# KiCad board LV08.kicad_pcb (continued)
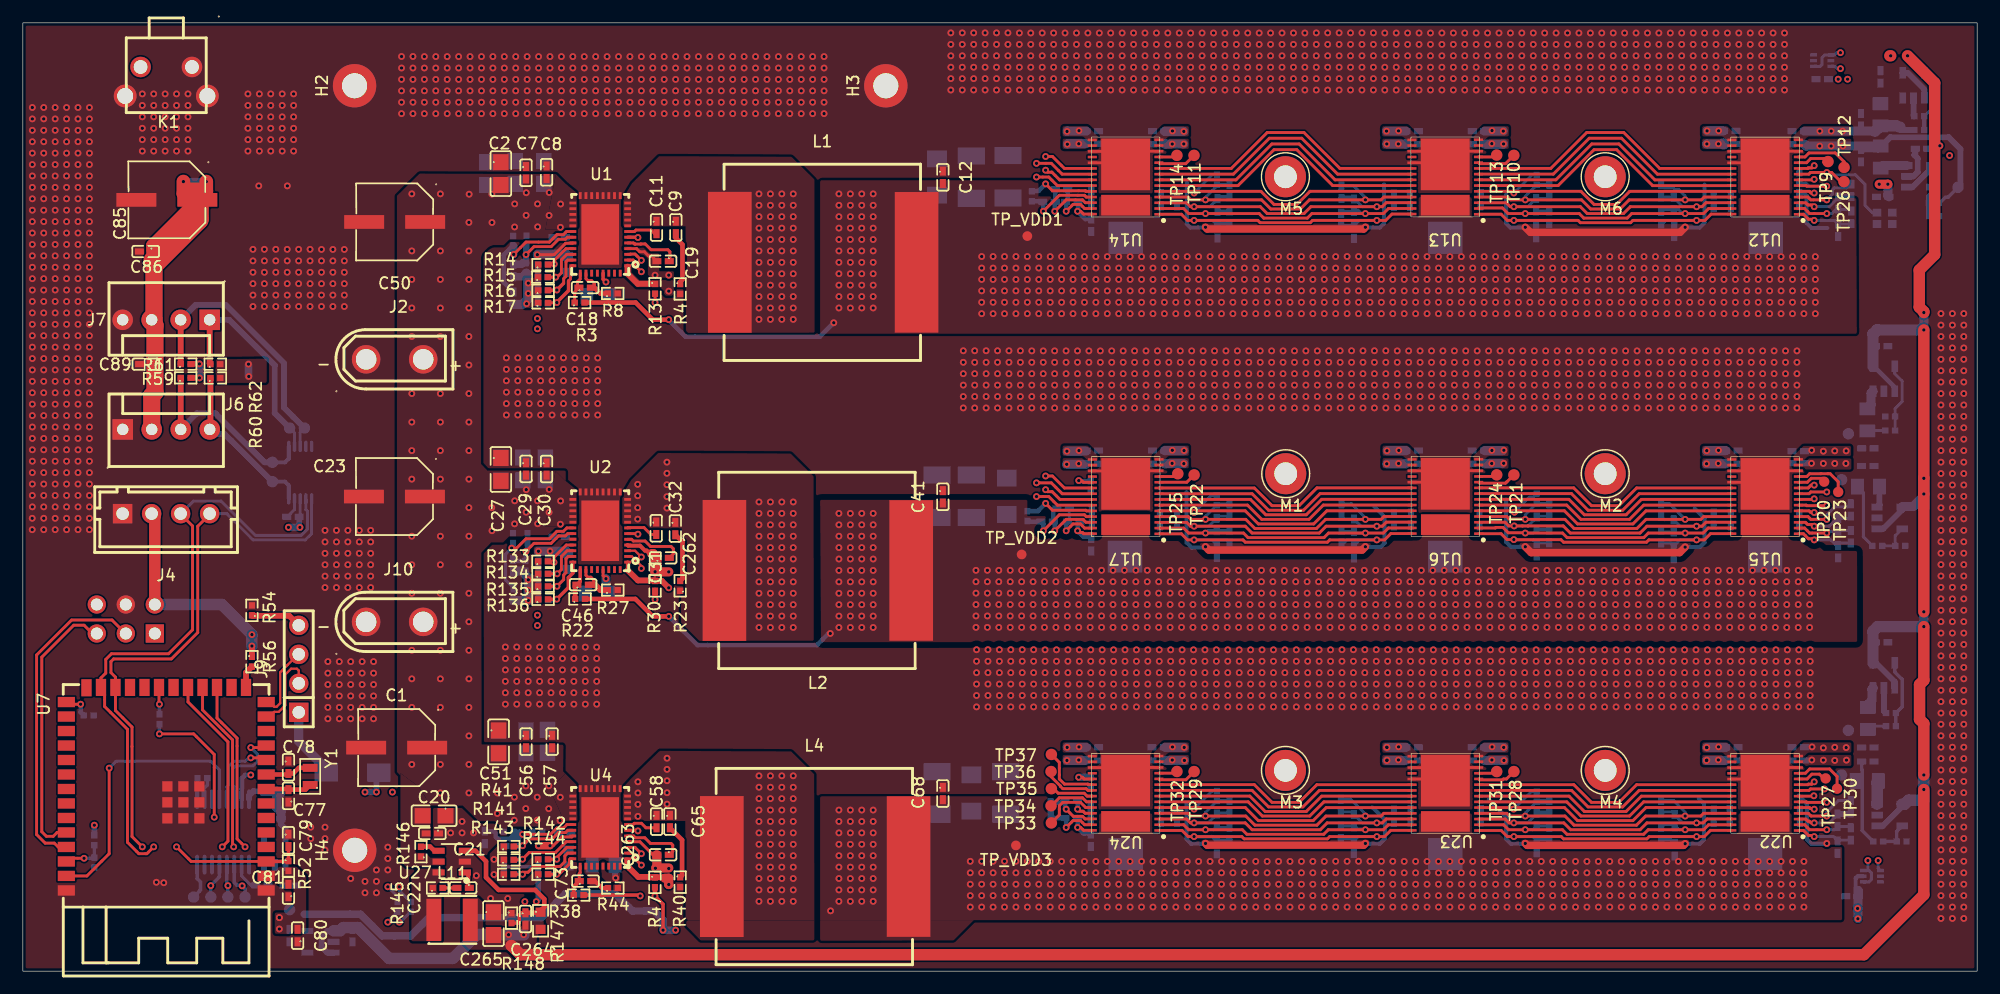
[diagram p0: board, top side]
## Routing (per net, layer and track width the routed paths; a pad name or vN(x,y) marks a point on that pad's centre or on a via; arc(x,y) is an arc through that point) (continued)
  vias: v1(0.83,75.69) v1(0.83,74.69) v1(0.83,73.69) v1(0.83,72.69) v1(0.83,71.69) v1(0.83,70.69) v1(0.83,69.69) v1(0.83,68.69) v1(0.83,67.69) v1(0.83,66.69) v1(0.83,65.69) v1(0.83,64.69) v1(0.83,63.69) v1(0.83,62.69) v1(0.83,61.69) v1(0.83,60.69) v1(0.83,59.69) v1(0.83,58.69) v1(0.83,57.69) v1(0.83,56.69) v1(0.83,55.69) v1(0.83,54.69) v1(0.83,53.69) v1(0.83,52.69) v1(0.83,51.69) v1(0.83,50.69) v1(0.83,49.69) v1(0.83,48.69) v1(0.83,47.69) v1(0.83,46.69) v1(0.83,45.69) v1(0.83,44.69) v1(0.83,43.69) v1(0.83,42.69) v1(0.83,41.69) v1(0.83,40.69) v1(0.82,39.69) v1(0.82,38.69) v1(1.83,75.69) v1(1.83,74.69) v1(1.83,73.69) v1(1.83,72.69) v1(1.83,71.69) v1(1.83,70.69) v1(1.83,69.69) v1(1.83,68.69) v1(1.83,67.69) v1(1.83,66.69) v1(1.83,65.69) v1(1.83,64.69) v1(1.83,63.69) v1(1.83,62.69) v1(1.83,61.69) v1(1.83,60.69) v1(1.83,59.69) v1(1.83,58.69) v1(1.83,57.69) v1(1.83,56.69) v1(1.83,55.69) v1(1.83,54.69) v1(1.83,53.69) v1(1.83,52.69) v1(1.83,51.69) v1(1.83,50.69) v1(1.83,49.69) v1(1.83,48.69) v1(1.83,47.69) v1(1.83,46.69) v1(1.83,45.69) v1(1.83,44.69) v1(1.83,43.69) v1(1.83,42.69) v1(1.83,41.69) v1(1.83,40.69) v1(1.83,39.69) v1(1.83,38.69) v1(2.83,75.69) v1(2.83,74.69) v1(2.83,73.69) v1(2.83,72.69) v1(2.83,71.69) v1(2.83,70.69) v1(2.83,69.69) v1(2.83,68.69) v1(2.83,67.69) v1(2.83,66.69) v1(2.83,65.69) v1(2.83,64.69) v1(2.83,63.69) v1(2.83,62.69) v1(2.83,61.69) v1(2.83,60.69) v1(2.83,59.69) v1(2.83,58.69) v1(2.83,57.69) v1(2.83,56.69) v1(2.83,55.69) v1(2.83,54.69) v1(2.83,53.69) v1(2.83,52.69) v1(2.83,51.69) v1(2.83,50.69) v1(2.83,49.69) v1(2.83,48.69) v1(2.83,47.69) v1(2.83,46.69) v1(2.83,45.69) v1(2.83,44.69) v1(2.83,43.69) v1(2.83,42.69) v1(2.83,41.69) v1(2.83,40.69) v1(2.83,39.69) v1(2.83,38.69) v1(3.83,75.69) v1(3.83,74.69) v1(3.83,73.69) v1(3.83,72.69) v1(3.83,71.69) v1(3.83,70.69) v1(3.83,69.69) v1(3.83,68.69) v1(3.83,67.69) v1(3.83,66.69) v1(3.83,65.69) v1(3.83,64.69) v1(3.83,63.69) v1(3.83,62.69) v1(3.83,61.69) v1(3.83,60.69) v1(3.83,59.69) v1(3.83,58.69) v1(3.83,57.69) v1(3.83,56.69) v1(3.83,55.69) v1(3.83,54.69) v1(3.83,53.69) v1(3.83,52.69) v1(3.83,51.69) v1(3.83,50.69) v1(3.83,49.69) v1(3.83,48.69) v1(3.83,47.69) v1(3.83,46.69) v1(3.83,45.69) v1(3.83,44.69) v1(3.83,43.69) v1(3.83,42.69) v1(3.83,41.69) v1(3.83,40.69) v1(3.83,39.69) v1(3.83,38.69) v1(4.83,75.69) v1(4.83,74.69) v1(4.83,73.69) v1(4.83,72.69) v1(4.83,71.69) v1(4.83,70.69) v1(4.83,69.69) v1(4.83,68.69) v1(4.83,67.69) v1(4.83,66.69) v1(4.83,65.69) v1(4.83,64.69) v1(4.83,63.69) v1(4.83,62.69) v1(4.83,61.69) v1(4.83,60.69) v1(4.83,59.69) v1(4.83,58.69) v1(4.83,57.69) v1(4.83,56.69) v1(4.83,55.69) v1(4.83,54.69) v1(4.83,53.69) v1(4.83,52.69) v1(4.83,51.69) v1(4.83,50.69) v1(4.83,49.69) v1(4.83,48.69) v1(4.83,47.69) v1(4.83,46.69) v1(4.83,45.69) v1(4.83,44.69) v1(4.83,43.69) v1(4.83,42.69) v1(4.83,41.69) v1(4.83,40.69) v1(4.83,39.69) v1(4.83,38.69) v1(5.83,75.69) v1(5.83,74.69) v1(5.83,73.69) v1(5.83,72.69) v1(5.83,71.69) v1(5.83,70.69) v1(5.83,69.69) v1(5.83,68.69) v1(5.83,67.69) v1(5.83,66.69) v1(5.83,65.69) v1(5.83,64.69) v1(5.83,63.69) v1(5.83,62.69) v1(5.83,61.69) v1(5.83,60.69) v1(5.83,59.69) v1(5.83,58.69) v1(5.83,57.69) v1(5.83,56.69) v1(5.83,55.69) v1(5.83,54.69) v1(5.83,53.69) v1(5.83,52.69) v1(5.83,51.69) v1(5.83,50.69) v1(5.83,49.69) v1(5.83,48.69) v1(5.83,47.69) v1(5.83,46.69) v1(5.83,45.69) v1(5.83,44.69) v1(5.83,43.69) v1(5.83,42.69) v1(5.83,41.69) v1(5.83,40.69) v1(5.83,39.69) v1(5.83,38.69) v1(10.46,76.88) v1(10.46,75.87) v1(10.46,74.87) v1(10.46,73.87) v1(10.46,72.87) v1(10.46,71.87) v1(11.46,76.88) v1(11.46,75.87) v1(11.46,74.87) v1(11.46,73.87) v1(11.46,72.87) v1(11.46,71.87) v1(11.69,7.79) v1(12.34,7.75) v1(12.46,76.88) v1(12.46,75.87) v1(12.46,74.87) v1(12.46,73.87) v1(12.46,72.87) v1(12.46,71.87) v1(13.46,76.88) v1(13.46,75.87) v1(13.46,74.87) v1(13.46,73.87) v1(13.46,72.87) v1(13.46,71.87) v1(14.46,76.88) v1(14.46,75.87) v1(14.46,74.87) v1(14.46,73.87) v1(14.46,72.87) v1(14.46,71.87) v1(19.71,76.88) v1(19.71,75.87) v1(19.71,74.87) v1(19.71,73.87) v1(19.71,72.87) v1(19.71,71.87) v1(20.15,63.26) v1(20.15,62.25) v1(20.15,61.25) v1(20.15,60.25) v1(20.15,59.25) v1(20.15,58.25) v1(20.71,76.88) v1(20.71,75.87) v1(20.71,74.87) v1(20.71,73.87) v1(20.71,72.87) v1(20.71,71.87) v1(20.66,68.82) v1(21.15,63.26) v1(21.15,62.25) v1(21.15,61.25) v1(21.15,60.25) v1(21.15,59.25) v1(21.15,58.25) v1(21.71,76.88) v1(21.71,75.87) v1(21.71,74.87) v1(21.71,73.87) v1(21.71,72.87) v1(21.71,71.87) v1(22.15,63.26) v1(22.15,62.25) v1(22.15,61.25) v1(22.15,60.25) v1(22.15,59.25) v1(22.15,58.25) v1(22.71,76.88) v1(22.71,75.87) v1(22.71,74.87) v1(22.71,73.87) v1(22.71,72.87) v1(22.71,71.87) v1(23.16,68.82) v1(23.15,63.26) v1(23.15,62.25) v1(23.15,61.25) v1(23.15,60.25) v1(23.15,59.25) v1(23.15,58.25) v1(23.71,76.88) v1(23.71,75.87) v1(23.71,74.87) v1(23.71,73.87) v1(23.71,72.87) v1(23.71,71.87) v1(24.15,63.26) v1(24.15,62.25) v1(24.15,61.25) v1(24.15,60.25) v1(24.15,59.25) v1(24.15,58.25) v1(25.15,63.26) v1(25.15,62.25) v1(25.15,61.25) v1(25.15,60.25) v1(25.15,59.25) v1(25.15,58.25) v1(25.21,12.62) v1(25.21,11.62) v1(26.15,63.25) v1(26.15,62.25) v1(26.15,61.25) v1(26.15,60.25) v1(26.15,59.25) v1(26.15,58.25) v1(26.46,38.63) v1(26.46,37.62) v1(26.46,36.62) v1(26.46,35.62) v1(26.46,34.62) v1(26.46,33.62) v1(26.46,12.62) v1(26.46,11.62) v1(26.46,10.62) v1(26.71,27.13) v1(26.71,26.12) v1(26.71,25.12) v1(26.71,24.12) v1(26.71,23.12) v1(26.71,22.12) v1(27.15,63.25) v1(27.15,62.25) v1(27.15,61.25) v1(27.15,60.25) v1(27.15,59.25) v1(27.15,58.25) v1(27.46,38.63) v1(27.46,37.62) v1(27.46,36.62) v1(27.46,35.62) v1(27.46,34.62) v1(27.46,33.62) v1(27.71,27.13) v1(27.71,26.12) v1(27.71,25.12) v1(27.71,24.12) v1(27.71,23.12) v1(27.71,22.12) v1(28.15,63.25) v1(28.15,62.25) v1(28.15,61.25) v1(28.15,60.25) v1(28.15,59.25) v1(28.15,58.25) v1(28.46,38.63) v1(28.46,37.62) v1(28.46,36.62) v1(28.46,35.62) v1(28.46,34.62) v1(28.46,33.62) v1(28.71,27.13) v1(28.71,26.12) v1(28.71,25.12) v1(28.71,24.12) v1(28.71,23.12) v1(28.71,22.12) v1(28.71,8.12) v1(29.46,38.63) v1(29.46,37.62) v1(29.46,36.62) v1(29.46,35.62) v1(29.46,34.62) v1(29.46,33.62) v1(29.71,27.13) v1(29.71,26.12) v1(29.71,25.12) v1(29.71,24.12) v1(29.71,23.12) v1(29.71,22.12) v1(29.96,7.87) v1(29.96,6.87) v1(30.46,38.63) v1(30.46,37.62) v1(30.46,36.62) v1(30.46,35.62) v1(30.46,34.62) v1(30.46,33.62) v1(30.71,27.13) v1(30.71,26.12) v1(30.71,25.12) v1(30.71,24.12) v1(30.71,23.12) v1(30.71,22.12) v1(30.96,8.87) v1(30.96,7.87) v1(30.96,6.87) v1(31.96,10.87) v1(31.96,9.87) v1(31.96,8.87) v1(33.16,80.16) v1(33.16,79.15) v1(33.16,78.15) v1(33.16,77.15) v1(33.16,76.15) v1(33.16,75.15) v1(34.16,80.16) v1(34.16,79.15) v1(34.16,78.15) v1(34.16,77.15) v1(34.16,76.15) v1(34.16,75.15) v1(35.16,80.15) v1(35.16,79.15) v1(35.16,78.15) v1(35.16,77.15) v1(35.16,76.15) v1(35.16,75.15) v1(36.16,80.15) v1(36.16,79.15) v1(36.16,78.15) v1(36.16,77.15) v1(36.16,76.15) v1(36.16,75.15) v1(37.16,80.15) v1(37.16,79.15) v1(37.16,78.15) v1(37.16,77.15) v1(37.16,76.15) v1(37.16,75.15) v1(37.46,12.12) v1(38.16,80.15) v1(38.16,79.15) v1(38.16,78.15) v1(38.16,77.15) v1(38.16,76.15) v1(38.16,75.15) v1(38.46,13.12) v1(38.46,12.12) v1(39.16,80.15) v1(39.16,79.15) v1(39.16,78.15) v1(39.16,77.15) v1(39.16,76.15) v1(39.16,75.15) v1(39.46,12.12) v1(39.71,8.37) v1(40.16,80.15) v1(40.16,79.15) v1(40.16,78.15) v1(40.16,77.15) v1(40.16,76.15) v1(40.16,75.15) v1(40.96,6.37) v1(41.16,80.15) v1(41.16,79.15) v1(41.16,78.15) v1(41.16,77.15) v1(41.16,76.15) v1(41.16,75.15) v1(42.16,80.15) v1(42.16,79.15) v1(42.16,78.15) v1(42.16,77.15) v1(42.16,76.15) v1(42.16,75.15) v1(42.25,28.41) v1(42.25,27.4) v1(42.25,26.4) v1(42.25,25.4) v1(42.25,24.4) v1(42.25,23.4) v1(42.34,53.75) v1(42.34,52.74) v1(42.34,51.74) v1(42.34,50.74) v1(42.34,49.74) v1(42.34,48.74) v1(42.46,6.37) v1(43.16,80.15) v1(43.16,79.15) v1(43.16,78.15) v1(43.16,77.15) v1(43.16,76.15) v1(43.16,75.15) v1(43.25,28.41) v1(43.25,27.4) v1(43.25,26.4) v1(43.25,25.4) v1(43.25,24.4) v1(43.25,23.4) v1(43.34,53.75) v1(43.34,52.74) v1(43.34,51.74) v1(43.34,50.74) v1(43.34,49.74) v1(43.34,48.74) v1(44.16,80.15) v1(44.16,79.15) v1(44.16,78.15) v1(44.16,77.15) v1(44.16,76.15) v1(44.16,75.15) v1(44.25,28.41) v1(44.25,27.4) v1(44.25,26.4) v1(44.25,25.4) v1(44.25,24.4) v1(44.25,23.4) v1(44.34,53.75) v1(44.34,52.74) v1(44.34,51.74) v1(44.34,50.74) v1(44.34,49.74) v1(44.34,48.74) v1(45.16,80.15) v1(45.16,79.15) v1(45.16,78.15) v1(45.16,77.15) v1(45.16,76.15) v1(45.16,75.15) v1(45.25,28.41) v1(45.25,27.4) v1(45.25,26.4) v1(45.25,25.4) v1(45.25,24.4) v1(45.25,23.4) v1(45.34,53.75) v1(45.34,52.74) v1(45.34,51.74) v1(45.34,50.74) v1(45.34,49.74) v1(45.34,48.74) v1(46.16,80.15) v1(46.16,79.15) v1(46.16,78.15) v1(46.16,77.15) v1(46.16,76.15) v1(46.16,75.15) v1(46.25,28.41) v1(46.25,27.4) v1(46.25,26.4) v1(46.25,25.4) v1(46.25,24.4) v1(46.25,23.4) v1(46.34,53.75) v1(46.34,52.74) v1(46.34,51.74) v1(46.34,50.74) v1(46.34,49.74) v1(46.34,48.74) v1(47.16,80.15) v1(47.16,79.15) v1(47.16,78.15) v1(47.16,77.15) v1(47.16,76.15) v1(47.16,75.15) v1(47.25,28.41) v1(47.25,27.4) v1(47.25,26.4) v1(47.25,25.4) v1(47.25,24.4) v1(47.25,23.4) v1(47.34,53.75) v1(47.34,52.74) v1(47.34,51.74) v1(47.34,50.74) v1(47.34,49.74) v1(47.34,48.74) v1(48.16,80.15) v1(48.16,79.15) v1(48.16,78.15) v1(48.16,77.15) v1(48.16,76.15) v1(48.16,75.15) v1(48.25,28.4) v1(48.25,27.4) v1(48.25,26.4) v1(48.25,25.4) v1(48.25,24.4) v1(48.25,23.4) v1(48.34,53.74) v1(48.34,52.74) v1(48.34,51.74) v1(48.34,50.74) v1(48.34,49.74) v1(48.34,48.74) v1(49.16,80.15) v1(49.16,79.15) v1(49.16,78.15) v1(49.16,77.15) v1(49.16,76.15) v1(49.16,75.15) v1(49.25,28.4) v1(49.25,27.4) v1(49.25,26.4) v1(49.25,25.4) v1(49.25,24.4) v1(49.25,23.4) v1(49.34,53.74) v1(49.34,52.74) v1(49.34,51.74) v1(49.34,50.74) v1(49.34,49.74) v1(49.34,48.74) v1(50.16,80.15) v1(50.16,79.15) v1(50.16,78.15) v1(50.16,77.15) v1(50.16,76.15) v1(50.16,75.15) v1(50.25,28.4) v1(50.25,27.4) v1(50.25,26.4) v1(50.25,25.4) v1(50.25,24.4) v1(50.25,23.4) v1(50.34,53.74) v1(50.34,52.74) v1(50.34,51.74) v1(50.34,50.74) v1(50.34,49.74) v1(50.34,48.74) v1(51.16,80.15) v1(51.16,79.15) v1(51.16,78.15) v1(51.16,77.15) v1(51.16,76.15) v1(51.16,75.15) v1(52.16,80.15) v1(52.16,79.15) v1(52.16,78.15) v1(52.16,77.15) v1(52.16,76.15) v1(52.16,75.15) v1(53.16,80.15) v1(53.16,79.15) v1(53.16,78.15) v1(53.16,77.15) v1(53.16,76.15) v1(53.16,75.15) v1(54.16,80.15) v1(54.16,79.15) v1(54.16,78.15) v1(54.16,77.15) v1(54.16,76.15) v1(54.16,75.15) v1(55.16,80.15) v1(55.16,79.15) v1(55.16,78.15) v1(55.16,77.15) v1(55.16,76.15) v1(55.16,75.15) v1(56.16,80.15) v1(56.16,79.15) v1(56.16,78.15) v1(56.16,77.15) v1(56.16,76.15) v1(56.16,75.15) v1(57.16,80.15) v1(57.16,79.15) v1(57.16,78.15) v1(57.16,77.15) v1(57.16,76.15) v1(57.16,75.15) v1(58.16,80.15) v1(58.16,79.15) v1(58.16,78.15) v1(58.16,77.15) v1(58.16,76.15) v1(58.16,75.15) v1(59.16,80.15) v1(59.16,79.15) v1(59.16,78.15) v1(59.16,77.15) v1(59.16,76.15) v1(59.16,75.15) v1(60.16,80.15) v1(60.16,79.15) v1(60.16,78.15) v1(60.16,77.15) v1(60.16,76.15) v1(60.16,75.15) v1(61.16,80.15) v1(61.16,79.15) v1(61.16,78.15) v1(61.16,77.15) v1(61.16,76.15) v1(61.16,75.15) v1(62.16,80.15) v1(62.16,79.15) v1(62.16,78.15) v1(62.16,77.15) v1(62.16,76.15) v1(62.16,75.15) v1(63.16,80.15) v1(63.16,79.15) v1(63.16,78.15) v1(63.16,77.15) v1(63.16,76.15) v1(63.16,75.15) v1(64.16,80.15) v1(64.16,79.15) v1(64.16,78.15) v1(64.16,77.15) v1(64.16,76.15) v1(64.16,75.15) v1(65.16,80.15) v1(65.16,79.15) v1(65.16,78.15) v1(65.16,77.15) v1(65.16,76.15) v1(65.16,75.15) v1(66.16,80.15) v1(66.16,79.15) v1(66.16,78.15) v1(66.16,77.15) v1(66.16,76.15) v1(66.16,75.15) v1(67.16,80.15) v1(67.16,79.15) v1(67.16,78.15) v1(67.16,77.15) v1(67.16,76.15) v1(67.16,75.15) v1(68.16,80.15) v1(68.16,79.15) v1(68.16,78.15) v1(68.16,77.15) v1(68.16,76.15) v1(68.16,75.15) v1(69.16,80.15) v1(69.16,79.15) v1(69.16,78.15) v1(69.16,77.15) v1(69.16,76.15) v1(69.16,75.15) v1(70.16,80.15) v1(70.16,79.15) v1(70.16,78.15) v1(70.16,77.15) v1(70.16,76.15) v1(70.16,75.15) v1(81.26,82.23) v1(81.26,81.22) v1(81.26,80.22) v1(81.26,79.22) v1(81.26,78.22) v1(81.26,77.22) v1(82.26,82.23) v1(82.26,81.22) v1(82.26,80.22) v1(82.26,79.22) v1(82.26,78.22) v1(82.26,77.22) v1(82.35,54.37) v1(82.35,53.36) v1(82.35,52.36) v1(82.35,51.36) v1(82.35,50.36) v1(82.35,49.36) v1(83.26,82.23) v1(83.26,81.22) v1(83.26,80.22) v1(83.26,79.22) v1(83.26,78.22) v1(83.26,77.22) v1(83.35,54.37) v1(83.35,53.36) v1(83.35,52.36) v1(83.35,51.36) v1(83.35,50.36) v1(83.35,49.36) v1(83.51,28.17) v1(83.51,27.16) v1(83.51,26.16) v1(83.51,25.16) v1(83.51,24.16) v1(83.51,23.16) v1(84.26,82.23) v1(84.26,81.22) v1(84.26,80.22) v1(84.26,79.22) v1(84.26,78.22) v1(84.26,77.22) v1(84.35,54.37) v1(84.35,53.36) v1(84.35,52.36) v1(84.35,51.36) v1(84.35,50.36) v1(84.35,49.36) v1(84.51,28.17) v1(84.51,27.16) v1(84.51,26.16) v1(84.51,25.16) v1(84.51,24.16) v1(84.51,23.16) v1(85.26,82.23) v1(85.26,81.22) v1(85.26,80.22) v1(85.26,79.22) v1(85.26,78.22) v1(85.26,77.22) v1(85.35,54.37) v1(85.35,53.36) v1(85.35,52.36) v1(85.35,51.36) v1(85.35,50.36) v1(85.35,49.36) v1(85.51,28.17) v1(85.51,27.16) v1(85.51,26.16) v1(85.51,25.16) v1(85.51,24.16) v1(85.51,23.16) v1(86.26,82.23) v1(86.26,81.22) v1(86.26,80.22) v1(86.26,79.22) v1(86.26,78.22) v1(86.26,77.22) v1(86.35,54.37) v1(86.35,53.36) v1(86.35,52.36) v1(86.35,51.36) v1(86.35,50.36) v1(86.35,49.36) v1(86.51,28.17) v1(86.51,27.16) v1(86.51,26.16) v1(86.51,25.16) v1(86.51,24.16) v1(86.51,23.16) v1(87.26,82.22) v1(87.26,81.22) v1(87.26,80.22) v1(87.26,79.22) v1(87.26,78.22) v1(87.26,77.22) v1(87.35,54.37) v1(87.35,53.36) v1(87.35,52.36) v1(87.35,51.36) v1(87.35,50.36) v1(87.35,49.36) v1(87.51,28.17) v1(87.51,27.16) v1(87.51,26.16) v1(87.51,25.16) v1(87.51,24.16) v1(87.51,23.16) v1(88.26,82.22) v1(88.26,81.22) v1(88.26,80.22) v1(88.26,79.22) v1(88.26,78.22) v1(88.26,77.22) v1(88.35,54.36) v1(88.35,53.36) v1(88.35,52.36) v1(88.35,51.36) v1(88.35,50.36) v1(88.35,49.36) v1(88.51,28.17) v1(88.51,27.16) v1(88.51,26.16) v1(88.51,25.16) v1(88.51,24.16) v1(88.51,23.16) v1(89.26,82.22) v1(89.26,81.22) v1(89.26,80.22) v1(89.26,79.22) v1(89.26,78.22) v1(89.26,77.22) v1(89.35,54.36) v1(89.35,53.36) v1(89.35,52.36) v1(89.35,51.36) v1(89.35,50.36) v1(89.35,49.36) v1(89.51,28.16) v1(89.51,27.16) v1(89.51,26.16) v1(89.51,25.16) v1(89.51,24.16) v1(89.51,23.16) v1(90.26,82.22) v1(90.26,81.22) v1(90.26,80.22) v1(90.26,79.22) v1(90.26,78.22) v1(90.26,77.22) v1(90.35,54.36) v1(90.35,53.36) v1(90.35,52.36) v1(90.35,51.36) v1(90.35,50.36) v1(90.35,49.36) v1(90.51,28.16) v1(90.51,27.16) v1(90.51,26.16) v1(90.51,25.16) v1(90.51,24.16) v1(90.51,23.16) v1(91.26,82.22) v1(91.26,81.22) v1(91.26,80.22) v1(91.26,79.22) v1(91.26,78.22) v1(91.26,77.22) v1(91.35,54.36) v1(91.35,53.36) v1(91.35,52.36) v1(91.35,51.36) v1(91.35,50.36) v1(91.35,49.36) v1(91.51,28.16) v1(91.51,27.16) v1(91.51,26.16) v1(91.51,25.16) v1(91.51,24.16) v1(91.51,23.16) v1(92.26,82.22) v1(92.26,81.22) v1(92.26,80.22) v1(92.26,79.22) v1(92.26,78.22) v1(92.26,77.22) v1(92.35,54.36) v1(92.35,53.36) v1(92.35,52.36) v1(92.35,51.36) v1(92.35,50.36) v1(92.35,49.36) v1(92.51,28.16) v1(92.51,27.16) v1(92.51,26.16) v1(92.51,25.16) v1(92.51,24.16) v1(92.51,23.16) v1(93.26,82.22) v1(93.26,81.22) v1(93.26,80.22) v1(93.26,79.22) v1(93.26,78.22) v1(93.26,77.22) v1(93.35,54.36) v1(93.35,53.36) v1(93.35,52.36) v1(93.35,51.36) v1(93.35,50.36) v1(93.35,49.36) v1(93.51,28.16) v1(93.51,27.16) v1(93.51,26.16) v1(93.51,25.16) v1(93.51,24.16) v1(93.51,23.16) v1(94.26,82.22) v1(94.26,81.22) v1(94.26,80.22) v1(94.26,79.22) v1(94.26,78.22) v1(94.26,77.22) v1(94.35,54.36) v1(94.35,53.36) v1(94.35,52.36) v1(94.35,51.36) v1(94.35,50.36) v1(94.35,49.36) v1(94.51,28.16) v1(94.51,27.16) v1(94.51,26.16) v1(94.51,25.16) v1(94.51,24.16) v1(94.51,23.16) v1(95.26,82.22) v1(95.26,81.22) v1(95.26,80.22) v1(95.26,79.22) v1(95.26,78.22) v1(95.26,77.22) v1(95.35,54.36) v1(95.35,53.36) v1(95.35,52.36) v1(95.35,51.36) v1(95.35,50.36) v1(95.35,49.36) v1(95.51,28.16) v1(95.51,27.16) v1(95.51,26.16) v1(95.51,25.16) v1(95.51,24.16) v1(95.51,23.16) v1(96.26,82.22) v1(96.26,81.22) v1(96.26,80.22) v1(96.26,79.22) v1(96.26,78.22) v1(96.26,77.22) v1(96.35,54.36) v1(96.35,53.36) v1(96.35,52.36) v1(96.35,51.36) v1(96.35,50.36) v1(96.35,49.36) v1(96.51,28.16) v1(96.51,27.16) v1(96.51,26.16) v1(96.51,25.16) v1(96.51,24.16) v1(96.51,23.16) v1(97.26,82.22) v1(97.26,81.22) v1(97.26,80.22) v1(97.26,79.22) v1(97.26,78.22) v1(97.26,77.22) v1(97.35,54.36) v1(97.35,53.36) v1(97.35,52.36) v1(97.35,51.36) v1(97.35,50.36) v1(97.35,49.36) v1(97.51,28.16) v1(97.51,27.16) v1(97.51,26.16) v1(97.51,25.16) v1(97.51,24.16) v1(97.51,23.16) v1(98.26,82.22) v1(98.26,81.22) v1(98.26,80.22) v1(98.26,79.22) v1(98.26,78.22) v1(98.26,77.22) v1(98.35,54.36) v1(98.35,53.36) v1(98.35,52.36) v1(98.35,51.36) v1(98.35,50.36) v1(98.35,49.36) v1(98.51,28.16) v1(98.51,27.16) v1(98.51,26.16) v1(98.51,25.16) v1(98.51,24.16) v1(98.51,23.16) v1(99.26,82.22) v1(99.26,81.22) v1(99.26,80.22) v1(99.26,79.22) v1(99.26,78.22) v1(99.26,77.22) v1(99.35,54.36) v1(99.35,53.36) v1(99.35,52.36) v1(99.35,51.36) v1(99.35,50.36) v1(99.35,49.36) v1(99.51,28.16) v1(99.51,27.16) v1(99.51,26.16) v1(99.51,25.16) v1(99.51,24.16) v1(99.51,23.16) v1(100.26,82.22) v1(100.26,81.22) v1(100.26,80.22) v1(100.26,79.22) v1(100.26,78.22) v1(100.26,77.22) v1(100.35,54.36) v1(100.35,53.36) v1(100.35,52.36) v1(100.35,51.36) v1(100.35,50.36) v1(100.35,49.36) v1(100.51,28.16) v1(100.51,27.16) v1(100.51,26.16) v1(100.51,25.16) v1(100.51,24.16) v1(100.51,23.16) v1(101.26,82.22) v1(101.26,81.22) v1(101.26,80.22) v1(101.26,79.22) v1(101.26,78.22) v1(101.26,77.22) v1(101.35,54.36) v1(101.35,53.36) v1(101.35,52.36) v1(101.35,51.36) v1(101.35,50.36) v1(101.35,49.36) v1(101.51,28.16) v1(101.51,27.16) v1(101.51,26.16) v1(101.51,25.16) v1(101.51,24.16) v1(101.51,23.16) v1(102.26,82.22) v1(102.26,81.22) v1(102.26,80.22) v1(102.26,79.22) v1(102.26,78.22) v1(102.26,77.22) v1(102.35,54.36) v1(102.35,53.36) v1(102.35,52.36) v1(102.35,51.36) v1(102.35,50.36) v1(102.35,49.36) v1(102.51,28.16) v1(102.51,27.16) v1(102.51,26.16) v1(102.51,25.16) v1(102.51,24.16) v1(102.51,23.16) v1(103.26,82.22) v1(103.26,81.22) v1(103.26,80.22) v1(103.26,79.22) v1(103.26,78.22) v1(103.26,77.22) v1(103.35,54.36) v1(103.35,53.36) v1(103.35,52.36) v1(103.35,51.36) v1(103.35,50.36) v1(103.35,49.36) v1(103.51,28.16) v1(103.51,27.16) v1(103.51,26.16) v1(103.51,25.16) v1(103.51,24.16) v1(103.51,23.16) v1(104.26,82.22) v1(104.26,81.22) v1(104.26,80.22) v1(104.26,79.22) v1(104.26,78.22) v1(104.26,77.22) v1(104.35,54.36) v1(104.35,53.36) v1(104.35,52.36) v1(104.35,51.36) v1(104.35,50.36) v1(104.35,49.36) v1(104.51,28.16) v1(104.51,27.16) v1(104.51,26.16) v1(104.51,25.16) v1(104.51,24.16) v1(104.51,23.16) v1(105.26,82.22) v1(105.26,81.22) v1(105.26,80.22) v1(105.26,79.22) v1(105.26,78.22) v1(105.26,77.22) v1(105.35,54.36) v1(105.35,53.36) v1(105.35,52.36) v1(105.35,51.36) v1(105.35,50.36) v1(105.35,49.36) v1(105.51,28.16) v1(105.51,27.16) v1(105.51,26.16) v1(105.51,25.16) v1(105.51,24.16) v1(105.51,23.16) v1(106.26,82.22) v1(106.26,81.22) v1(106.26,80.22) v1(106.26,79.22) v1(106.26,78.22) v1(106.26,77.22) v1(106.35,54.36) v1(106.35,53.36) v1(106.35,52.36) v1(106.35,51.36) v1(106.35,50.36) v1(106.35,49.36) v1(106.51,28.16) v1(106.51,27.16) v1(106.51,26.16) v1(106.51,25.16) v1(106.51,24.16) v1(106.51,23.16) v1(107.26,82.22) v1(107.26,81.22) v1(107.26,80.22) v1(107.26,79.22) v1(107.26,78.22) v1(107.26,77.22) v1(107.35,54.36) v1(107.35,53.36) v1(107.35,52.36) v1(107.35,51.36) v1(107.35,50.36) v1(107.35,49.36) v1(107.51,28.16) v1(107.51,27.16) v1(107.51,26.16) v1(107.51,25.16) v1(107.51,24.16) v1(107.51,23.16) v1(108.26,82.22) v1(108.26,81.22) v1(108.26,80.22) v1(108.26,79.22) v1(108.26,78.22) v1(108.26,77.22) v1(108.35,54.36) v1(108.35,53.36) v1(108.35,52.36) v1(108.35,51.36) v1(108.35,50.36) v1(108.35,49.36) v1(108.51,28.16) v1(108.51,27.16) v1(108.51,26.16) v1(108.51,25.16) v1(108.51,24.16) v1(108.51,23.16) v1(109.26,82.22) v1(109.26,81.22) v1(109.26,80.22) v1(109.26,79.22) v1(109.26,78.22) v1(109.26,77.22) v1(109.35,54.36) v1(109.35,53.36) v1(109.35,52.36) v1(109.35,51.36) v1(109.35,50.36) v1(109.35,49.36) v1(109.51,28.16) v1(109.51,27.16) v1(109.51,26.16) v1(109.51,25.16) v1(109.51,24.16) v1(109.51,23.16) v1(110.26,82.22) v1(110.26,81.22) v1(110.26,80.22) v1(110.26,79.22) v1(110.26,78.22) v1(110.26,77.22) v1(110.35,54.36) v1(110.35,53.36) v1(110.35,52.36) v1(110.35,51.36) v1(110.35,50.36) v1(110.35,49.36) v1(110.51,28.16) v1(110.51,27.16) v1(110.51,26.16) v1(110.51,25.16) v1(110.51,24.16) v1(110.51,23.16) v1(111.26,82.22) v1(111.26,81.22) v1(111.26,80.22) v1(111.26,79.22) v1(111.26,78.22) v1(111.26,77.22) v1(111.35,54.36) v1(111.35,53.36) v1(111.35,52.36) v1(111.35,51.36) v1(111.35,50.36) v1(111.35,49.36) v1(111.51,28.16) v1(111.51,27.16) v1(111.51,26.16) v1(111.51,25.16) v1(111.51,24.16) v1(111.51,23.16) v1(112.26,82.22) v1(112.26,81.22) v1(112.26,80.22) v1(112.26,79.22) v1(112.26,78.22) v1(112.26,77.22) v1(112.35,54.36) v1(112.35,53.36) v1(112.35,52.36) v1(112.35,51.36) v1(112.35,50.36) v1(112.35,49.36) v1(112.51,28.16) v1(112.51,27.16) v1(112.51,26.16) v1(112.51,25.16) v1(112.51,24.16) v1(112.51,23.16) v1(113.26,82.23) v1(113.26,81.22) v1(113.26,80.22) v1(113.26,79.22) v1(113.26,78.22) v1(113.26,77.22) v1(113.35,54.36) v1(113.35,53.36) v1(113.35,52.36) v1(113.35,51.36) v1(113.35,50.36) v1(113.35,49.36) v1(113.51,28.16) v1(113.51,27.16) v1(113.51,26.16) v1(113.51,25.16) v1(113.51,24.16) v1(113.51,23.16) v1(114.26,82.23) v1(114.26,81.22) v1(114.26,80.22) v1(114.26,79.22) v1(114.26,78.22) v1(114.26,77.22) v1(114.35,54.37) v1(114.35,53.36) v1(114.35,52.36) v1(114.35,51.36) v1(114.35,50.36) v1(114.35,49.36) v1(114.51,28.16) v1(114.51,27.16) v1(114.51,26.16) v1(114.51,25.16) v1(114.51,24.16) v1(114.51,23.16) v1(115.26,82.23) v1(115.26,81.22) v1(115.26,80.22) v1(115.26,79.22) v1(115.26,78.22) v1(115.26,77.22) v1(115.35,54.37) v1(115.35,53.36) v1(115.35,52.36) v1(115.35,51.36) v1(115.35,50.36) v1(115.35,49.36) v1(115.51,28.17) v1(115.51,27.16) v1(115.51,26.16) v1(115.51,25.16) v1(115.51,24.16) v1(115.51,23.16) v1(116.26,82.23) v1(116.26,81.22) v1(116.26,80.22) v1(116.26,79.22) v1(116.26,78.22) v1(116.26,77.22) v1(116.35,54.37) v1(116.35,53.36) v1(116.35,52.36) v1(116.35,51.36) v1(116.35,50.36) v1(116.35,49.36) v1(116.51,28.17) v1(116.51,27.16) v1(116.51,26.16) v1(116.51,25.16) v1(116.51,24.16) v1(116.51,23.16) v1(117.26,82.23) v1(117.26,81.22) v1(117.26,80.22) v1(117.26,79.22) v1(117.26,78.22) v1(117.26,77.22) v1(117.35,54.37) v1(117.35,53.36) v1(117.35,52.36) v1(117.35,51.36) v1(117.35,50.36) v1(117.35,49.36) v1(117.51,28.17) v1(117.51,27.16) v1(117.51,26.16) v1(117.51,25.16) v1(117.51,24.16) v1(117.51,23.16) v1(118.26,82.23) v1(118.26,81.22) v1(118.26,80.22) v1(118.26,79.22) v1(118.26,78.22) v1(118.26,77.22) v1(118.35,54.37) v1(118.35,53.36) v1(118.35,52.36) v1(118.35,51.36) v1(118.35,50.36) v1(118.35,49.36) v1(118.51,28.17) v1(118.51,27.16) v1(118.51,26.16) v1(118.51,25.16) v1(118.51,24.16) v1(118.51,23.16) v1(119.26,82.22) v1(119.26,81.22) v1(119.26,80.22) v1(119.26,79.22) v1(119.26,78.22) v1(119.26,77.22) v1(119.35,54.37) v1(119.35,53.36) v1(119.35,52.36) v1(119.35,51.36) v1(119.35,50.36) v1(119.35,49.36) v1(119.51,28.17) v1(119.51,27.16) v1(119.51,26.16) v1(119.51,25.16) v1(119.51,24.16) v1(119.51,23.16) v1(120.26,82.22) v1(120.26,81.22) v1(120.26,80.22) v1(120.26,79.22) v1(120.26,78.22) v1(120.26,77.22) v1(120.35,54.36) v1(120.35,53.36) v1(120.35,52.36) v1(120.35,51.36) v1(120.35,50.36) v1(120.35,49.36) v1(120.51,28.17) v1(120.51,27.16) v1(120.51,26.16) v1(120.51,25.16) v1(120.51,24.16) v1(120.51,23.16) v1(121.26,82.22) v1(121.26,81.22) v1(121.26,80.22) v1(121.26,79.22) v1(121.26,78.22) v1(121.26,77.22) v1(121.35,54.36) v1(121.35,53.36) v1(121.35,52.36) v1(121.35,51.36) v1(121.35,50.36) v1(121.35,49.36) v1(121.51,28.16) v1(121.51,27.16) v1(121.51,26.16) v1(121.51,25.16) v1(121.51,24.16) v1(121.51,23.16) v1(122.26,82.22) v1(122.26,81.22) v1(122.26,80.22) v1(122.26,79.22) v1(122.26,78.22) v1(122.26,77.22) v1(122.35,54.36) v1(122.35,53.36) v1(122.35,52.36) v1(122.35,51.36) v1(122.35,50.36) v1(122.35,49.36) v1(122.51,28.16) v1(122.51,27.16) v1(122.51,26.16) v1(122.51,25.16) v1(122.51,24.16) v1(122.51,23.16) v1(123.26,82.22) v1(123.26,81.22) v1(123.26,80.22) v1(123.26,79.22) v1(123.26,78.22) v1(123.26,77.22) v1(123.35,54.36) v1(123.35,53.36) v1(123.35,52.36) v1(123.35,51.36) v1(123.35,50.36) v1(123.35,49.36) v1(123.51,28.16) v1(123.51,27.16) v1(123.51,26.16) v1(123.51,25.16) v1(123.51,24.16) v1(123.51,23.16) v1(124.26,82.22) v1(124.26,81.22) v1(124.26,80.22) v1(124.26,79.22) v1(124.26,78.22) v1(124.26,77.22) v1(124.35,54.36) v1(124.35,53.36) v1(124.35,52.36) v1(124.35,51.36) v1(124.35,50.36) v1(124.35,49.36) v1(124.51,28.16) v1(124.51,27.16) v1(124.51,26.16) v1(124.51,25.16) v1(124.51,24.16) v1(124.51,23.16) v1(125.26,82.22) v1(125.26,81.22) v1(125.26,80.22) v1(125.26,79.22) v1(125.26,78.22) v1(125.26,77.22) v1(125.35,54.36) v1(125.35,53.36) v1(125.35,52.36) v1(125.35,51.36) v1(125.35,50.36) v1(125.35,49.36) v1(125.51,28.16) v1(125.51,27.16) v1(125.51,26.16) v1(125.51,25.16) v1(125.51,24.16) v1(125.51,23.16) v1(126.26,82.22) v1(126.26,81.22) v1(126.26,80.22) v1(126.26,79.22) v1(126.26,78.22) v1(126.26,77.22) v1(126.35,54.36) v1(126.35,53.36) v1(126.35,52.36) v1(126.35,51.36) v1(126.35,50.36) v1(126.35,49.36) v1(126.51,28.16) v1(126.51,27.16) v1(126.51,26.16) v1(126.51,25.16) v1(126.51,24.16) v1(126.51,23.16) v1(127.26,82.22) v1(127.26,81.22) v1(127.26,80.22) v1(127.26,79.22) v1(127.26,78.22) v1(127.26,77.22) v1(127.35,54.36) v1(127.35,53.36) v1(127.35,52.36) v1(127.35,51.36) v1(127.35,50.36) v1(127.35,49.36) v1(127.51,28.16) v1(127.51,27.16) v1(127.51,26.16) v1(127.51,25.16) v1(127.51,24.16) v1(127.51,23.16) v1(128.26,82.22) v1(128.26,81.22) v1(128.26,80.22) v1(128.26,79.22) v1(128.26,78.22) v1(128.26,77.22) v1(128.35,54.36) v1(128.35,53.36) v1(128.35,52.36) v1(128.35,51.36) v1(128.35,50.36) v1(128.35,49.36) v1(128.51,28.16) v1(128.51,27.16) v1(128.51,26.16) v1(128.51,25.16) v1(128.51,24.16) v1(128.51,23.16) v1(129.26,82.22) v1(129.26,81.22) v1(129.26,80.22) v1(129.26,79.22) v1(129.26,78.22) v1(129.26,77.22) v1(129.35,54.36) v1(129.35,53.36) v1(129.35,52.36) v1(129.35,51.36) v1(129.35,50.36) v1(129.35,49.36) v1(129.51,28.16) v1(129.51,27.16) v1(129.51,26.16) v1(129.51,25.16) v1(129.51,24.16) v1(129.51,23.16) v1(130.26,82.22) v1(130.26,81.22) v1(130.26,80.22) v1(130.26,79.22) v1(130.26,78.22) v1(130.26,77.22) v1(130.35,54.36) v1(130.35,53.36) v1(130.35,52.36) v1(130.35,51.36) v1(130.35,50.36) v1(130.35,49.36) v1(130.51,28.16) v1(130.51,27.16) v1(130.51,26.16) v1(130.51,25.16) v1(130.51,24.16) v1(130.51,23.16) v1(131.26,82.22) v1(131.26,81.22) v1(131.26,80.22) v1(131.26,79.22) v1(131.26,78.22) v1(131.26,77.22) v1(131.35,54.36) v1(131.35,53.36) v1(131.35,52.36) v1(131.35,51.36) v1(131.35,50.36) v1(131.35,49.36) v1(131.51,28.16) v1(131.51,27.16) v1(131.51,26.16) v1(131.51,25.16) v1(131.51,24.16) v1(131.51,23.16) v1(132.26,82.22) v1(132.26,81.22) v1(132.26,80.22) v1(132.26,79.22) v1(132.26,78.22) v1(132.26,77.22) v1(132.35,54.36) v1(132.35,53.36) v1(132.35,52.36) v1(132.35,51.36) v1(132.35,50.36) v1(132.35,49.36) v1(132.51,28.16) v1(132.51,27.16) v1(132.51,26.16) v1(132.51,25.16) v1(132.51,24.16) v1(132.51,23.16) v1(133.26,82.22) v1(133.26,81.22) v1(133.26,80.22) v1(133.26,79.22) v1(133.26,78.22) v1(133.26,77.22) v1(133.35,54.36) v1(133.35,53.36) v1(133.35,52.36) v1(133.35,51.36) v1(133.35,50.36) v1(133.35,49.36) v1(133.51,28.16) v1(133.51,27.16) v1(133.51,26.16) v1(133.51,25.16) v1(133.51,24.16) v1(133.51,23.16) v1(134.26,82.22) v1(134.26,81.22) v1(134.26,80.22) v1(134.26,79.22) v1(134.26,78.22) v1(134.26,77.22) v1(134.35,54.36) v1(134.35,53.36) v1(134.35,52.36) v1(134.35,51.36) v1(134.35,50.36) v1(134.35,49.36) v1(134.51,28.16) v1(134.51,27.16) v1(134.51,26.16) v1(134.51,25.16) v1(134.51,24.16) v1(134.51,23.16) v1(135.26,82.22) v1(135.26,81.22) v1(135.26,80.22) v1(135.26,79.22) v1(135.26,78.22) v1(135.26,77.22) v1(135.35,54.36) v1(135.35,53.36) v1(135.35,52.36) v1(135.35,51.36) v1(135.35,50.36) v1(135.35,49.36) v1(135.51,28.16) v1(135.51,27.16) v1(135.51,26.16) v1(135.51,25.16) v1(135.51,24.16) v1(135.51,23.16) v1(136.26,82.22) v1(136.26,81.22) v1(136.26,80.22) v1(136.26,79.22) v1(136.26,78.22) v1(136.26,77.22) v1(136.35,54.36) v1(136.35,53.36) v1(136.35,52.36) v1(136.35,51.36) v1(136.35,50.36) v1(136.35,49.36) v1(136.51,28.16) v1(136.51,27.16) v1(136.51,26.16) v1(136.51,25.16) v1(136.51,24.16) v1(136.51,23.16) v1(137.26,82.22) v1(137.26,81.22) v1(137.26,80.22) v1(137.26,79.22) v1(137.26,78.22) v1(137.26,77.22) v1(137.35,54.36) v1(137.35,53.36) v1(137.35,52.36) v1(137.35,51.36) v1(137.35,50.36) v1(137.35,49.36) v1(137.51,28.16) v1(137.51,27.16) v1(137.51,26.16) v1(137.51,25.16) v1(137.51,24.16) v1(137.51,23.16) v1(138.26,82.22) v1(138.26,81.22) v1(138.26,80.22) v1(138.26,79.22) v1(138.26,78.22) v1(138.26,77.22) v1(138.35,54.36) v1(138.35,53.36) v1(138.35,52.36) v1(138.35,51.36) v1(138.35,50.36) v1(138.35,49.36) v1(138.51,28.16) v1(138.51,27.16) v1(138.51,26.16) v1(138.51,25.16) v1(138.51,24.16) v1(138.51,23.16) v1(139.26,82.22) v1(139.26,81.22) v1(139.26,80.22) v1(139.26,79.22) v1(139.26,78.22) v1(139.26,77.22) v1(139.35,54.36) v1(139.35,53.36) v1(139.35,52.36) v1(139.35,51.36) v1(139.35,50.36) v1(139.35,49.36) v1(139.51,28.16) v1(139.51,27.16) v1(139.51,26.16) v1(139.51,25.16) v1(139.51,24.16) v1(139.51,23.16) v1(140.26,82.22) v1(140.26,81.22) v1(140.26,80.22) v1(140.26,79.22) v1(140.26,78.22) v1(140.26,77.22) v1(140.35,54.36) v1(140.35,53.36) v1(140.35,52.36) v1(140.35,51.36) v1(140.35,50.36) v1(140.35,49.36) v1(140.51,28.16) v1(140.51,27.16) v1(140.51,26.16) v1(140.51,25.16) v1(140.51,24.16) v1(140.51,23.16) v1(141.26,82.22) v1(141.26,81.22) v1(141.26,80.22) v1(141.26,79.22) v1(141.26,78.22) v1(141.26,77.22) v1(141.35,54.36) v1(141.35,53.36) v1(141.35,52.36) v1(141.35,51.36) v1(141.35,50.36) v1(141.35,49.36) v1(141.51,28.16) v1(141.51,27.16) v1(141.51,26.16) v1(141.51,25.16) v1(141.51,24.16) v1(141.51,23.16) v1(142.26,82.22) v1(142.26,81.22) v1(142.26,80.22) v1(142.26,79.22) v1(142.26,78.22) v1(142.26,77.22) v1(142.35,54.36) v1(142.35,53.36) v1(142.35,52.36) v1(142.35,51.36) v1(142.35,50.36) v1(142.35,49.36) v1(142.51,28.16) v1(142.51,27.16) v1(142.51,26.16) v1(142.51,25.16) v1(142.51,24.16) v1(142.51,23.16) v1(143.26,82.22) v1(143.26,81.22) v1(143.26,80.22) v1(143.26,79.22) v1(143.26,78.22) v1(143.26,77.22) v1(143.35,54.36) v1(143.35,53.36) v1(143.35,52.36) v1(143.35,51.36) v1(143.35,50.36) v1(143.35,49.36) v1(143.51,28.16) v1(143.51,27.16) v1(143.51,26.16) v1(143.51,25.16) v1(143.51,24.16) v1(143.51,23.16) v1(144.26,82.22) v1(144.26,81.22) v1(144.26,80.22) v1(144.26,79.22) v1(144.26,78.22) v1(144.26,77.22) v1(144.35,54.36) v1(144.35,53.36) v1(144.35,52.36) v1(144.35,51.36) v1(144.35,50.36) v1(144.35,49.36) v1(144.51,28.16) v1(144.51,27.16) v1(144.51,26.16) v1(144.51,25.16) v1(144.51,24.16) v1(144.51,23.16) v1(145.26,82.22) v1(145.26,81.22) v1(145.26,80.22) v1(145.26,79.22) v1(145.26,78.22) v1(145.26,77.22) v1(145.35,54.36) v1(145.35,53.36) v1(145.35,52.36) v1(145.35,51.36) v1(145.35,50.36) v1(145.35,49.36) v1(145.51,28.16) v1(145.51,27.16) v1(145.51,26.16) v1(145.51,25.16) v1(145.51,24.16) v1(145.51,23.16) v1(146.26,82.22) v1(146.26,81.22) v1(146.26,80.22) v1(146.26,79.22) v1(146.26,78.22) v1(146.26,77.22) v1(146.35,54.36) v1(146.35,53.36) v1(146.35,52.36) v1(146.35,51.36) v1(146.35,50.36) v1(146.35,49.36) v1(146.51,28.16) v1(146.51,27.16) v1(146.51,26.16) v1(146.51,25.16) v1(146.51,24.16) v1(146.51,23.16) v1(147.26,82.22) v1(147.26,81.22) v1(147.26,80.22) v1(147.26,79.22) v1(147.26,78.22) v1(147.26,77.22) v1(147.35,54.36) v1(147.35,53.36) v1(147.35,52.36) v1(147.35,51.36) v1(147.35,50.36) v1(147.35,49.36) v1(147.51,28.16) v1(147.51,27.16) v1(147.51,26.16) v1(147.51,25.16) v1(147.51,24.16) v1(147.51,23.16) v1(148.26,82.22) v1(148.26,81.22) v1(148.26,80.22) v1(148.26,79.22) v1(148.26,78.22) v1(148.26,77.22) v1(148.35,54.36) v1(148.35,53.36) v1(148.35,52.36) v1(148.35,51.36) v1(148.35,50.36) v1(148.35,49.36) v1(148.51,28.16) v1(148.51,27.16) v1(148.51,26.16) v1(148.51,25.16) v1(148.51,24.16) v1(148.51,23.16) v1(149.26,82.22) v1(149.26,81.22) v1(149.26,80.22) v1(149.26,79.22) v1(149.26,78.22) v1(149.26,77.22) v1(149.35,54.36) v1(149.35,53.36) v1(149.35,52.36) v1(149.35,51.36) v1(149.35,50.36) v1(149.35,49.36) v1(149.51,28.16) v1(149.51,27.16) v1(149.51,26.16) v1(149.51,25.16) v1(149.51,24.16) v1(149.51,23.16) v1(150.26,82.22) v1(150.26,81.22) v1(150.26,80.22) v1(150.26,79.22) v1(150.26,78.22) v1(150.26,77.22) v1(150.35,54.36) v1(150.35,53.36) v1(150.35,52.36) v1(150.35,51.36) v1(150.35,50.36) v1(150.35,49.36) v1(150.51,28.16) v1(150.51,27.16) v1(150.51,26.16) v1(150.51,25.16) v1(150.51,24.16) v1(150.51,23.16) v1(151.26,82.22) v1(151.26,81.22) v1(151.26,80.22) v1(151.26,79.22) v1(151.26,78.22) v1(151.26,77.22) v1(151.35,54.36) v1(151.35,53.36) v1(151.35,52.36) v1(151.35,51.36) v1(151.35,50.36) v1(151.35,49.36) v1(151.51,28.16) v1(151.51,27.16) v1(151.51,26.16) v1(151.51,25.16) v1(151.51,24.16) v1(151.51,23.16) v1(152.26,82.22) v1(152.26,81.22) v1(152.26,80.22) v1(152.26,79.22) v1(152.26,78.22) v1(152.26,77.22) v1(152.35,54.36) v1(152.35,53.36) v1(152.35,52.36) v1(152.35,51.36) v1(152.35,50.36) v1(152.35,49.36) v1(152.51,28.16) v1(152.51,27.16) v1(152.51,26.16) v1(152.51,25.16) v1(152.51,24.16) v1(152.51,23.16) v1(153.26,82.22) v1(153.26,81.22) v1(153.26,80.22) v1(153.26,79.22) v1(153.26,78.22) v1(153.26,77.22) v1(153.35,54.36) v1(153.35,53.36) v1(153.35,52.36) v1(153.35,51.36) v1(153.35,50.36) v1(153.35,49.36) v1(153.51,28.16) v1(153.51,27.16) v1(153.51,26.16) v1(153.51,25.16) v1(153.51,24.16) v1(153.51,23.16) v1(154.26,82.22) v1(154.26,81.22) v1(154.26,80.22) v1(154.26,79.22) v1(154.26,78.22) v1(154.26,77.22) v1(154.35,54.36) v1(154.35,53.36) v1(154.35,52.36) v1(154.35,51.36) v1(154.35,50.36) v1(154.35,49.36) v1(154.51,28.16) v1(154.51,27.16) v1(154.51,26.16) v1(154.51,25.16) v1(154.51,24.16) v1(154.51,23.16) v1(155.35,54.36) v1(155.35,53.36) v1(155.35,52.36) v1(155.35,51.36) v1(155.35,50.36) v1(155.35,49.36) v1(155.51,28.16) v1(155.51,27.16) v1(155.51,26.16) v1(155.51,25.16) v1(155.51,24.16) v1(155.51,23.16) v1(156.51,28.16) v1(156.51,27.16) v1(156.51,26.16) v1(156.51,25.16) v1(156.51,24.16) v1(156.51,23.16) v1(167.96,57.63) v1(167.96,56.62) v1(167.96,55.62) v1(167.96,54.62) v1(167.96,53.62) v1(167.96,52.62) v1(167.96,51.63) v1(167.96,50.62) v1(167.96,49.62) v1(167.96,48.62) v1(167.96,47.62) v1(167.96,46.62) v1(167.96,45.62) v1(167.96,44.61) v1(167.96,43.61) v1(167.96,42.61) v1(167.96,41.61) v1(167.96,40.61) v1(167.96,39.64) v1(167.96,38.63) v1(167.96,37.63) v1(167.96,36.63) v1(167.96,35.63) v1(167.96,34.63) v1(167.96,33.64) v1(167.96,32.63) v1(167.96,31.63) v1(167.96,30.63) v1(167.96,29.63) v1(167.96,28.63) v1(167.96,27.63) v1(167.96,26.62) v1(167.96,25.62) v1(167.96,24.62) v1(167.96,23.62) v1(167.96,22.62) v1(167.96,21.64) v1(167.96,20.63) v1(167.96,19.63) v1(167.96,18.63) v1(167.96,17.63) v1(167.96,16.63) v1(167.96,15.64) v1(167.96,14.63) v1(167.96,13.63) v1(167.96,12.63) v1(167.96,11.63) v1(167.96,10.63) v1(167.96,9.63) v1(167.96,8.62) v1(167.96,7.62) v1(167.96,6.62) v1(167.96,5.62) v1(167.96,4.62) v1(168.96,57.63) v1(168.96,56.62) v1(168.96,55.62) v1(168.96,54.62) v1(168.96,53.62) v1(168.96,52.62) v1(168.96,51.63) v1(168.96,50.62) v1(168.96,49.62) v1(168.96,48.62) v1(168.96,47.62) v1(168.96,46.62) v1(168.96,45.62) v1(168.96,44.61) v1(168.96,43.61) v1(168.96,42.61) v1(168.96,41.61) v1(168.96,40.61) v1(168.96,39.64) v1(168.96,38.63) v1(168.96,37.63) v1(168.96,36.63) v1(168.96,35.63) v1(168.96,34.63) v1(168.96,33.64) v1(168.96,32.63) v1(168.96,31.63) v1(168.96,30.63) v1(168.96,29.63) v1(168.96,28.63) v1(168.96,27.63) v1(168.96,26.62) v1(168.96,25.62) v1(168.96,24.62) v1(168.96,23.62) v1(168.96,22.62) v1(168.96,21.64) v1(168.96,20.63) v1(168.96,19.63) v1(168.96,18.63) v1(168.96,17.63) v1(168.96,16.63) v1(168.96,15.64) v1(168.96,14.63) v1(168.96,13.63) v1(168.96,12.63) v1(168.96,11.63) v1(168.96,10.63) v1(168.96,9.63) v1(168.96,8.62) v1(168.96,7.62) v1(168.96,6.62) v1(168.96,5.62) v1(168.96,4.62) v1(169.96,57.63) v1(169.96,56.62) v1(169.96,55.62) v1(169.96,54.62) v1(169.96,53.62) v1(169.96,52.62) v1(169.96,51.63) v1(169.96,50.62) v1(169.96,49.62) v1(169.96,48.62) v1(169.96,47.62) v1(169.96,46.62) v1(169.96,45.62) v1(169.96,44.61) v1(169.96,43.61) v1(169.96,42.61) v1(169.96,41.61) v1(169.96,40.61) v1(169.96,39.64) v1(169.96,38.63) v1(169.96,37.63) v1(169.96,36.63) v1(169.96,35.63) v1(169.96,34.63) v1(169.96,33.64) v1(169.96,32.63) v1(169.96,31.63) v1(169.96,30.63) v1(169.96,29.63) v1(169.96,28.63) v1(169.96,27.63) v1(169.96,26.62) v1(169.96,25.62) v1(169.96,24.62) v1(169.96,23.62) v1(169.96,22.62) v1(169.96,21.64) v1(169.96,20.63) v1(169.96,19.63) v1(169.96,18.63) v1(169.96,17.63) v1(169.96,16.63) v1(169.96,15.64) v1(169.96,14.63) v1(169.96,13.63) v1(169.96,12.63) v1(169.96,11.63) v1(169.96,10.63) v1(169.96,9.63) v1(169.96,8.62) v1(169.96,7.62) v1(169.96,6.62) v1(169.96,5.62) v1(169.96,4.62)
